# Altium PCB SVEC.pcbdoc (part 14 of 18) (continued)
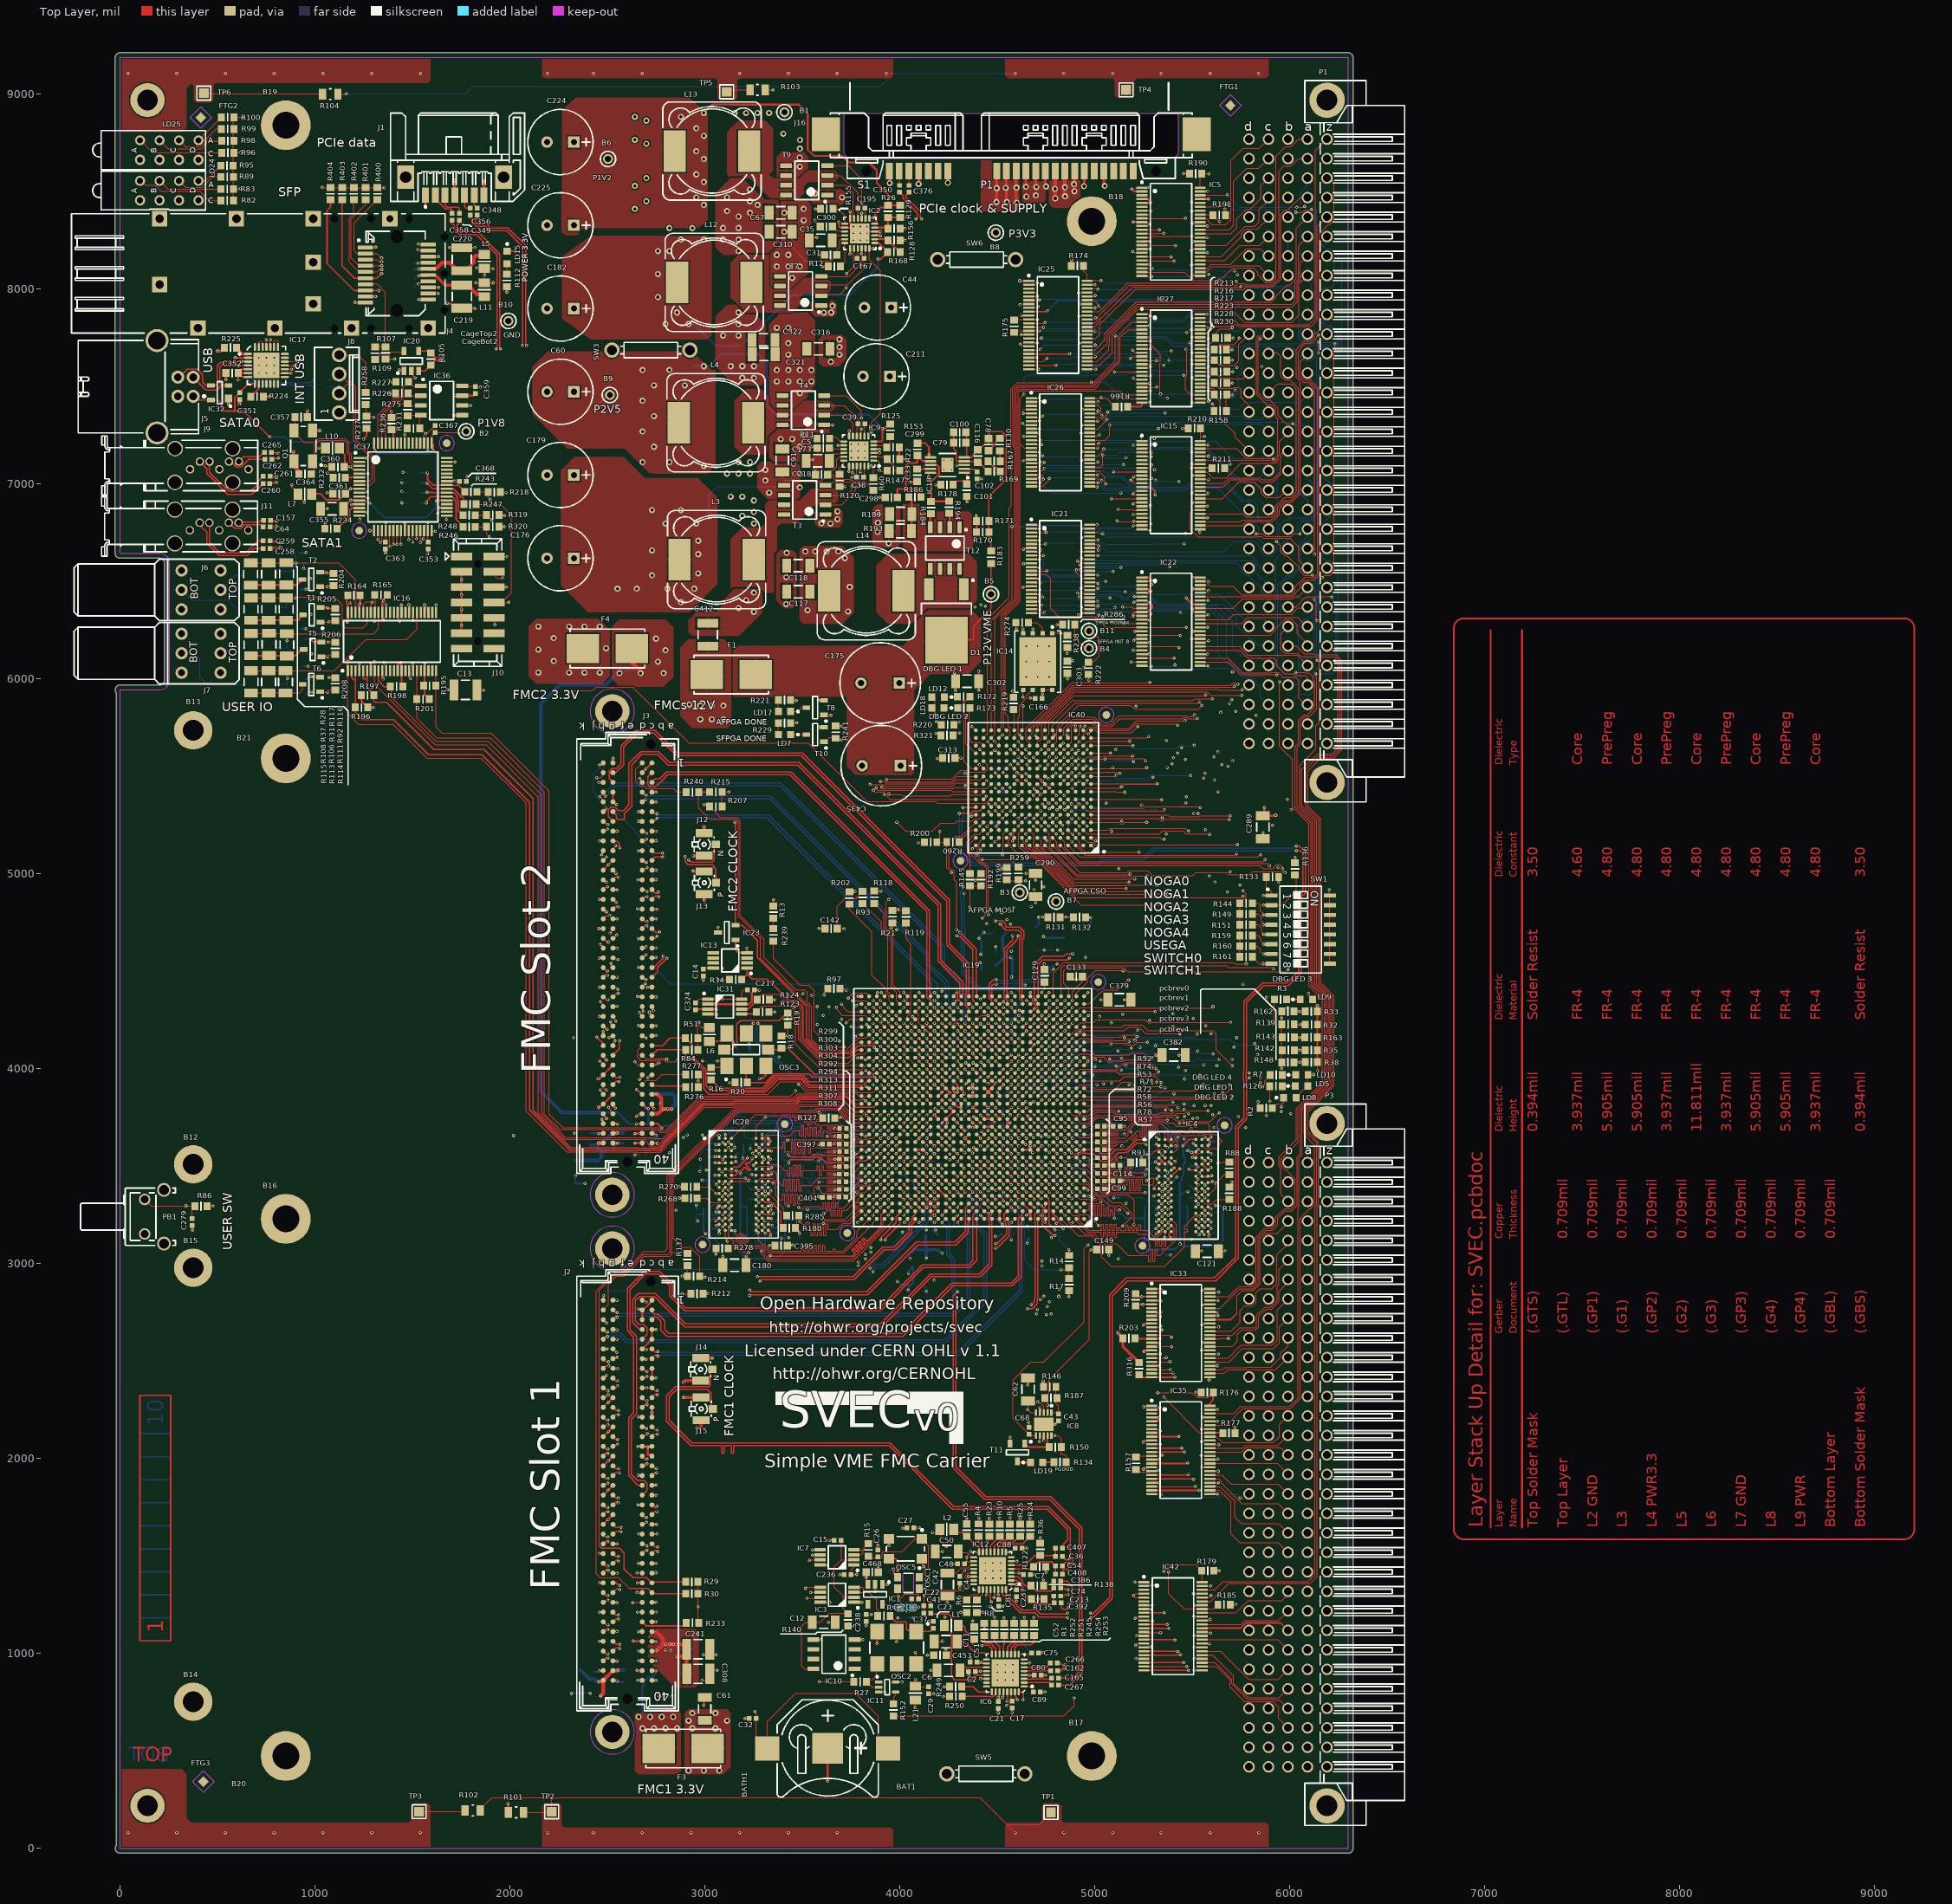
[diagram p0: Top Layer view]
## Nets (pads, with @x,y where several pads share a name; then routed paths per layer and width w, separated by ;. In a path a pad name is that pad's centre, name@x,y a point inside that pad or via, vN(x,y) a via of type N, cw(c..) or ccw(c..) an arc to the next point about the centre after c; other vN are vias at no path point) (continued)
  Bottom Layer w5: v1(4720.55,7008.51) 4775.55,6953.51 v1(5132.55,6953.51)
  other v1: 4885.37,3997.36
VME_A17: IC19.Y2 IC26.22 IC40.J3 | length 4635.2
  Top Layer w5: IC26.22@4673.95,7026.5 4708.55,7026.5 v1(4715.55,7033.51) ; IC40.J3@4901.09,5460.19 v1@4917.48,5476.58 ; IC19.Y2@4905.05,3977.67 4924.74,3997.36 4991.96,3997.36 4993.19,3996.13 5111.51,3996.13 5122.88,4007.51 5124.55,4007.51 5139.55,4022.51 5146.23,4022.51 5154.6,4030.88 5285.51,4030.88 5313.3,4003.09 v1(5313.3,4000.6)
  L8 w4: v1@5294.18,5492.13 5294.18,5451 5312.55,5432.62 5312.55,4959.25 5301.18,4947.87 5301.18,4933.05 5303.93,4930.3 5303.93,4892.71 5294.18,4882.96 5294.18,4284.91 5336.93,4242.16 5336.93,4024.88 v1@5312.97,4000.92 ; v1(5297.55,5495.51) 5310.93,5508.88 5310.93,5679.42 5305.93,5684.42 5305.93,6505.87 5320.93,6520.87 5320.93,6874.87 5293.18,6902.62 5293.18,7003.13 v1@5308.55,7018.51
  Bottom Layer w5: v1(4715.55,7033.51) 4717.3,7033.51 4749.3,7065.51 5056.55,7065.51 5080.3,7041.76 5140.21,7041.76 5177.72,7004.25 5296.3,7004.25 v1(5310.55,7018.51) ; v1@4923.85,5476.8 4936.15,5464.5 5025.55,5464.5 5039.56,5478.51 5280.55,5478.51 v1(5297.55,5495.51)
  other v1: 4920.55,5473.51
VME_A18: IC19.Y1 IC26.20 IC40.J1 | length 4682.4
  Top Layer w5: IC26.20@4673.95,7065.87 4676.59,7068.51 4730.55,7068.51 v1(4740.55,7078.51) ; IC19.Y1@4944.42,3977.67 4952.44,3985.69 5108.86,3985.69 5121.42,3973.13 5315.18,3973.13 v1(5326.55,3984.51) ; IC40.J1@4979.83,5460.19 4981.52,5461.88 5319.18,5461.88 v1(5319.55,5461.51) ; 5144.61,5460.19 v1@5318.24,5460.19
  L5 w5: v1(5305.55,7073.51) 5325.93,7053.13 5325.93,6273.25 5309.69,6257.01 5309.69,5542.62 5325.18,5527.13 5325.18,5525.71 ; v1(5319.55,5461.51) 5305.18,5447.13 5305.18,5248.99 5291.93,5235.74 5291.93,4999.49 5286.93,4994.49 5286.93,4293.39 5312.55,4267.76 5312.55,4148.03 5328.68,4131.91 v1@5328.68,3986.63 ; 5325.93,5467.88 5325.93,5524.96
  Bottom Layer w5: v1@4741.01,7083.96 4958.55,7083.96 4961.39,7081.13 5297.93,7081.13 v1(5305.55,7073.51)
VME_A19: IC19.AA5 IC26.19 IC40.H2 | length 4288.9
  Top Layer w5: IC26.19@4673.95,7085.55 4676,7083.51 4695.55,7083.51 4701.3,7089.25 4720.55,7089.25 4740.3,7109 v1(4740.3,7110.09) ; IC19.AA5@4786.94,4017.04 v1(4806.62,4036.73) ; IC40.H2@4940.46,5420.82 4958.14,5438.51 5128.55,5438.51 v1(5136.55,5446.51)
  L3 w4: v1(4806.62,4036.73) 4822,4021.35 4970.47,4021.35 4975,4025.88 5019.44,4025.88 5020.19,4025.13 5051.79,4025.13 5057.79,4019.13 5094.56,4019.13 5104.31,4028.88 5148.18,4028.88 v1(5160.55,4016.51)
  L5 w5: v1(5145.93,7098.88) 5149.93,7094.88 5149.93,6534.4 5130.18,6514.65 5130.18,6396.02 5116.93,6382.76 5116.93,6359.14 5112.18,6354.39 5112.18,6069.65 5145.18,6036.65 5145.18,5455.13 v1(5136.55,5446.51) 5113.18,5423.13 5113.18,5260 5121.18,5252 5121.18,5061.02 5095.18,5035.02 5095.18,4841.79 5117.18,4819.79 5117.18,4255.88 5120.69,4252.37 5120.69,4115.86 5102.18,4097.35 5102.18,4084.14 5115.18,4071.14 5115.18,4055.14 5140.81,4029.51 5147.55,4029.51 v1(5160.55,4016.51)
  Bottom Layer w5: v1(4740.3,7110.09) 4756.42,7093.96 5023.75,7093.96 5028.67,7098.88 v1(5145.93,7098.88)
VME_A20: IC19.AA4 IC26.16 IC40.H1 | length 4158.8
  Top Layer w5: IC26.16@4673.95,7144.61 4675.05,7143.51 v1(4730.55,7143.51) ; IC19.AA4@4826.31,4017.04 v1(4846,4036.73) ; IC40.H1@4979.83,5420.82 5103.75,5420.82 5106.07,5418.51 v1(5153.55,5418.51)
  L5 w5: v1@5137.05,4052.01 v1@5139.55,4049.51 ; v1(5138.55,4053.51) 5132.93,4059.13 5132.93,4252.86 5127.18,4258.6 5127.18,4823.93 5105.18,4845.93 5105.18,5030.87 5131.18,5056.87 5131.18,5256.14 5123.18,5264.14 5123.18,5388.13 v1(5153.55,5418.51) ; v1@5155.18,5418.51 5155.18,6040.79 5121.18,6074.79 5121.18,6349.25 5126.93,6355 5126.93,6373.62 5140.18,6386.87 5140.18,6510.51 5160.18,6530.51 5160.18,7091.39 5161.93,7093.14 5161.93,7105.87 5160.18,7107.62 5160.18,7135.13 v1(5160.55,7135.51)
  Bottom Layer w5: v1(4730.55,7143.51) 4735.55,7138.51 5028.81,7138.51 5034.19,7133.13 5159.93,7133.13 5159.93,7134.88 v1(5160.55,7135.51) ; v1(4846,4036.73) 4863.62,4036.73 4879,4052.1 4891.73,4052.1 ; 4892.94,4050.89 4917.16,4050.89 4929.15,4062.88 5123.96,4062.88 v1@5135.94,4050.89
VME_A21: IC19.W3 IC26.13 IC40.G3 | length 4743.8
  Top Layer w5: IC26.13@4673.95,7203.66 4676.11,7201.51 v1(4725.55,7201.51) ; IC19.W3@4865.68,3938.3 v1(4885.37,3957.99) ; IC40.G3@4901.09,5381.45 4901.09,5374.21 v1(4918.87,5356.43)
  L3 w4: v1(4725.55,7201.51) 4730.55,7196.51 4986.81,7196.51 5014.19,7223.88 5026.92,7223.88 5054.3,7196.51 v1(5198.55,7196.51) ; v1(4885.37,3957.99) 4900.74,3942.61 4931.1,3942.61 ; v1(4918.87,5356.43) 4929.16,5346.13 5233.18,5346.13 v1(5240.55,5353.51) ; 4932,3943.51 4932.37,3943.13 5002.12,3943.13 5006.87,3947.88 5094.11,3947.88 5098.49,3943.51 5242.5,3943.51 5248.87,3949.88 5273.18,3949.88 v1(5286.55,3936.51)
  L5 w5: v1(5198.55,7196.51) 5235.18,7159.88 5235.18,6474.71 5254.55,6455.34 5254.55,5910.01 5288.93,5875.63 5288.93,5646.04 5288.18,5645.3 5288.18,5586.39 5259.67,5557.88 5259.6,5557.88 5240.55,5538.83 v1(5240.55,5353.51) 5240.55,5302.67 5228.18,5290.3 5228.18,5135.05 5242.93,5120.3 5242.93,5032.42 5230.93,5020.42 5230.93,4834.54 5235.93,4829.54 5235.93,4225.13 5283.93,4177.13 5283.93,4129.14 5249.18,4094.39 5249.18,4000.15 5286.55,3962.77 v1(5286.55,3936.51)
VME_A22: IC19.W1 IC26.12 IC40.G1 | length 4783.1
  Top Layer w5: IC26.12@4673.95,7223.35 4674.11,7223.51 v1(4720.55,7223.51) ; IC19.W1@4944.42,3938.3 5128.35,3938.3 5150.55,3960.51 5279.81,3960.51 ; IC40.G1@4979.83,5381.45 v1@5340.61,5381.45 ; 5280.19,3960.88 5308.18,3960.88 v1(5340.55,3928.51)
  L5 w5: v1(5305.55,7233.51) 5338.18,7200.88 5338.18,6271.36 5320.69,6253.86 5320.69,5544.35 5342.55,5522.48 v1(5342.55,5379.51) 5342.55,5337.25 5320.18,5314.87 5320.18,5248.13 5311.93,5239.88 5311.93,4981.25 5300.18,4969.51 5300.18,4865.94 5310.55,4855.57 5310.55,4321.5 5325.18,4306.87 5325.18,4149.54 5337.68,4137.05 5337.68,4105.53 5340.93,4102.27 v1@5340.93,3928.88
  Bottom Layer w5: v1(4720.55,7223.51) 5013.81,7223.51 ; 5014.19,7223.88 5085.55,7223.88 ; 5085.93,7223.51 5274.67,7223.51 5284.67,7233.51 v1(5305.55,7233.51)
VME_A23: IC19.V2 IC26.9 IC40.F2 | length 4989.8
  Top Layer w5: IC26.9@4673.95,7282.4 v1@4714.45,7282.4 ; IC19.V2@4905.05,3898.93 4922.44,3916.32 4979.68,3916.32 5000.87,3895.13 5104.37,3895.13 5139.11,3929.88 5181.92,3929.88 5203.67,3908.13 5337.93,3908.13 v1(5338.55,3907.51) ; IC40.F2@4940.46,5342.08 4960.15,5322.39 v1@5354.55,5322.39
  L5 w5: v1(5325.55,7283.51) 5348.18,7260.88 5348.18,6267.21 5331.18,6250.21 5331.18,5548 5357.93,5521.25 5357.93,5330.88 v1(5354.55,5327.51) 5354.55,5317.25 5330.18,5292.87 5330.18,5230.16 5321.93,5221.91 5321.93,5162.51 5331.93,5152.51 5331.93,4915.34 5320.55,4903.97 5320.55,4325.64 5335.18,4311.02 5335.18,4153.69 5346.93,4141.94 5346.93,4110.42 5360.55,4096.79 5360.55,3926.76 v1@5341.3,3907.51
  Bottom Layer w5: v1@4720.55,7283.51 4725.55,7278.51 v1@5320.55,7278.51
  other v1: 4715.55,7283.51
VME_A24: IC19.V1 IC33.9 IC40.F1 | length 4379.2
  Top Layer w5: IC19.V1@4944.42,3898.93 4960.22,3883.13 5379.55,3883.13 5383.55,3887.13 5519.18,3887.13 v1(5539.55,3907.51) ; IC40.F1@4979.83,5342.08 4983.78,5338.13 5250.92,5338.13 5255.95,5343.16 5536.9,5343.16 v1(5539.55,5340.51) ; IC33.9@5290.95,2712.4 5334.45,2712.4 ; 5335.55,2713.51 v1(5335.55,2728.51)
  L5 w5: v1(5335.55,2728.51) 5350.55,2713.51 5681.55,2713.51 5736.53,2768.48 5736.53,3628.52 5625.92,3739.13 5589.04,3739.13 5538.81,3789.37 5538.81,3906.76 v1(5539.55,3907.51) ; 5539.55,3895.25 v1(5539.55,3907.51) ; v1(5539.55,5340.51) 5543.93,5336.13 5543.93,5303.14 5540.93,5300.14 5540.93,4071.21 5512.18,4042.46 5512.18,3934.88 v1(5539.55,3907.51)
VME_A25: IC19.U5 IC33.12 IC40.K3 | length 4941.5
  Top Layer w5: IC19.U5@4786.94,3859.56 4790.61,3859.56 v1@4806.55,3875.51 ; IC40.K3@4901.09,5499.56 4904.61,5499.56 v1(4919.55,5514.51) ; IC33.12@5290.95,2653.35 5338.49,2653.35 v1(5344.9,2659.76)
  L3 w4: v1@4806.55,3875.51 4825.67,3894.62 4876.93,3894.62 4886.93,3904.62 4993.5,3904.62 5001.49,3896.63 5156.45,3896.63 5171.57,3881.51 5365.53,3881.51 5405.9,3921.88 5554.52,3921.88 v1(5555.92,3920.48) ; v1(4919.55,5514.51) 4920.3,5515.25 4958.69,5515.25 4992.31,5481.63 5303.3,5481.63 5305.05,5483.38 5520.43,5483.38 5551.55,5514.51 v1(5564.55,5514.51)
  L5 w5: v1(5344.9,2659.76) 5345.52,2659.13 5667.5,2659.13 5745.53,2737.16 5745.53,3633.67 5630.06,3749.13 5593.19,3749.13 5551.18,3791.14 5551.18,3885.13 5554.93,3888.88 ; v1@5552.12,3916.68 5554.93,3913.87 5554.93,3888.88 ; v1(5555.92,3920.48) 5555.92,3889.87 5554.93,3888.88 ; v1(5555.92,3920.48) 5555.93,3974.87 5545.18,3985.62 5545.18,4025.46 5549.93,4030.21 5549.93,5283.25 5554.18,5287.51 5554.18,5333.39 5554.93,5334.14 5554.93,5346.87 5542.18,5359.62 5542.18,5497.87 5558.81,5514.51 v1(5564.55,5514.51) v1@5562.55,5516.51
  other v1: 4806.62,3879.25
VME_A26: IC19.U4 IC33.13 IC40.J4 | length 5268.2
  Top Layer w5: IC19.U4@4826.31,3859.56 v1(4846,3879.25) ; IC40.J4@4861.72,5460.19 v1@4881.55,5480.03 ; IC33.13@5290.95,2633.66 5382.4,2633.66 v1(5393.55,2622.51)
  L3 w4: v1(4846,3879.25) 4859.69,3879.25 4873.56,3865.37 4879.95,3865.37 4880.07,3865.25 4895.88,3865.25 4904.07,3857.06 4923.09,3857.06 4932.91,3866.88 5157.92,3866.88 5170.29,3854.51 5366.81,3854.51 5399.19,3886.88 5467.55,3886.88 5482.93,3871.51 v1(5613.55,3871.51) ; v1(4881.55,5481.51) 4906.81,5481.51 4920.56,5495.25 4966.51,5495.25 4988.13,5473.63 5306.61,5473.63 5308.36,5475.38 5523.74,5475.38 5528.49,5480.13 5547.19,5480.13 5551.19,5476.13 5606.18,5476.13
  L5 w5: v1(5613.55,3871.51) 5610.18,3874.88 5610.18,4021.87 5621.93,4033.62 5621.93,4293.51 5620.93,4294.51 5620.93,4816.51 5600.18,4837.25 5600.18,4949.14 5599.18,4950.14 5599.18,4962.87 5613.55,4977.25 v1@5613.55,5481.51
  L8 w4: v1(5393.55,2622.51) 5393.55,2594.25 5416.32,2571.48 5835.67,2571.48 5843.53,2579.34 5843.53,3698.53 5733.55,3808.51 5655.53,3808.51 5636.93,3827.11 5636.93,3827.64 5630.18,3834.39 5630.18,3854.88 v1(5613.55,3871.51)
  other v1: 5612.55,5482.51
VME_A27: IC19.U3 IC33.16 IC40.H3 | length 5185.3
  Top Layer w5: IC19.U3@4865.68,3859.56 v1@4885.55,3879.44 ; v1(4881.4,5440.51) IC40.H3@4901.09,5420.82 ; IC33.16@5290.95,2574.61 5292.43,2573.13 5336.92,2573.13 ; 5338.4,2574.61 v1@5391.45,2574.61
  L3 w4: v1(4881.4,5440.51) 4893.78,5428.13 5141.44,5428.13 5147.19,5433.88 5617.18,5433.88 v1(5630.55,5420.51) ; 4893.76,3881.51 4905.25,3881.51 4918.37,3894.62 4992.19,3894.62 4998.18,3888.63 5150.31,3888.63 5175.43,3863.51 5330.22,3863.51 ; 5330.59,3863.88 5362.04,3863.88 5395.04,3896.88 5529.85,3896.88 5533.6,3893.13 5624.18,3893.13 v1(5638.55,3907.51)
  L5 w5: v1(5630.55,5420.51) 5634.93,5416.13 5634.93,4099.64 5653.93,4080.64 5653.93,3922.88 v1(5638.55,3907.51)
  L8 w4: v1(5392.55,2573.51) 5426.93,2539.13 5557.92,2539.13 5566.93,2548.14 ; 5566.93,2549.11 5579.3,2561.48 5839.81,2561.48 5853.53,2575.19 5853.53,3702.68 5736.07,3820.13 5658.04,3820.13 5640.18,3838 v1@5640.18,3905.88
  other v1: 4885.37,3879.25
VME_A28: IC19.U1 IC33.19 IC40.L4 | length 5444.6
  Top Layer w5: IC40.L4@4861.72,5538.93 v1(4881.41,5558.62) ; IC19.U1@4944.42,3859.56 4947.85,3856.13 5633.18,3856.13 v1(5655.55,3878.51) ; IC33.19@5290.95,2515.55 v1@5362.6,2515.55
  L3 w4: v1(4881.41,5558.62) 4895.4,5544.62 4908.59,5544.62 4912.19,5541.02 4928.92,5541.02 4930.06,5539.88 ; 4931.81,5538.13 4961.92,5538.13 4976.92,5553.13 5065.21,5553.13 5071.95,5559.88 5096.92,5559.88 ; 5098.67,5558.13 5183.99,5558.13 5188.49,5553.63 5233.69,5553.63 5258.19,5529.13 5395.18,5529.13 5425.55,5559.51 v1(5650.55,5559.51)
  L5 w5: v1@5646.15,5555.1 5646.15,4877.29 5646.93,4876.51 5646.93,4106.99 5663.93,4089.99 5663.93,3891.74 v1@5653.93,3881.74
  L8 w4: v1(5365.55,2518.51) 5708.55,2518.51 5746.55,2480.51 5919.06,2480.51 5933.53,2494.97 5933.53,3637.53 5740.93,3830.13 5662.19,3830.13 5650.18,3842.14 v1@5650.18,3873.13
VME_A29: IC19.T4 IC33.20 IC40.L5 | length 5728.4
  Top Layer w5: IC40.L5@4822.35,5538.93 v1(4842.04,5558.62) ; IC19.T4@4826.31,3820.19 v1(4846,3839.88) ; IC33.20@5290.95,2495.87 v1@5382.92,2495.87
  L3 w4: v1(4842.04,5558.62) 4866.03,5534.62 4904.44,5534.62 4908.04,5531.02 4924.78,5531.02 4929.67,5526.13 5094.3,5526.13 5115.86,5547.7 5183.11,5547.7 5185.18,5545.63 5227.54,5545.63 5252.3,5520.88 5439.3,5520.88 5455.93,5537.51 5668.55,5537.51 v1(5681.55,5550.51) ; v1(4846,3839.88) 4856.93,3839.88 4872.3,3855.25 4891.73,3855.25 4899.93,3847.06 4925.82,3847.06 4935.64,3856.88 5153.77,3856.88 5165.15,3845.51 5255.26,3845.51 5379.67,3845.51 5389.04,3854.88 5655.18,3854.88 5663.55,3846.51 v1(5665.55,3848.51)
  L8 w4: v1(5385.55,2498.51) 5714.41,2498.51 5745.17,2467.75 5920.45,2467.75 5943.53,2490.83 5943.53,3643.68 5747.07,3840.13 5673.93,3840.13 v1(5665.55,3848.51) 5675.18,3858.13 5675.18,4008.85 5675.55,4009.22 5675.55,4195.76 5709.93,4230.14 5709.93,4911.02 5699.18,4921.76 5699.18,4960.3 5708.93,4970.05 5708.93,5144.13 5678.55,5174.51 5678.55,5250.62 5673.18,5256 5673.18,5383.41 5688.93,5399.16 5688.93,5543.13 v1(5681.55,5550.51)
VME_A30: IC19.T3 IC33.22 IC40.E2 | length 5269.6
  Top Layer w5: IC19.T3@4865.68,3820.19 v1(4885.37,3839.88) ; IC40.E2@4940.46,5302.71 4960.15,5283.02 5129.33,5283.02 5132.19,5285.88 5144.92,5285.88 5147.78,5283.02 5327.29,5283.02 5339.19,5271.13 5351.92,5271.13 5361.3,5280.51 v1@5684.55,5280.51 ; IC33.22@5290.95,2456.5 v1@5387.46,2456.5
  L3 w4: v1@4888.19,3837.06 4928.55,3837.06 4938.37,3846.88 5149.63,3846.88 5162.63,3833.88 5381.35,3833.88 ; 5381.81,3833.51 5393.19,3844.88 5638.55,3844.88 5651.55,3831.88 5679.93,3831.88 v1(5703.55,3855.51)
  L5 w5: v1(5688.55,5276.51) 5659.69,5247.64 5659.69,4574 5669.18,4564.51 5669.18,4098.88 5675.18,4092.88 5675.18,3869.51 5689.18,3855.51 v1(5703.55,3855.51)
  L8 w4: v1(5387.46,2454.76) 5743.56,2454.76 5746.55,2457.75 5924.59,2457.75 5953.53,2486.69 5953.53,3650.65 5748.67,3855.51 v1(5703.55,3855.51)
VME_A31: IC19.T2 IC33.23 IC40.E1 | length 5405.9
  Top Layer w5: IC19.T2@4905.05,3820.19 4924.74,3839.88 5388.19,3839.88 5393.19,3844.88 5639.93,3844.88 5659.18,3864.13 5663.18,3864.13 5688.18,3889.13 5688.18,3915.13 v1(5690.55,3917.51) ; IC40.E1@4979.83,5302.71 5374.48,5302.71 5385.06,5292.13 5532.92,5292.13 5538.67,5297.88 v1@5690.18,5297.88 ; IC33.23@5290.95,2436.81 v1@5400.55,2436.81
  L5 w5: v1(5690.55,3917.51) 5689.31,3918.75 5689.31,4051.59 5690.55,4052.83 5690.55,4095.62 5679.18,4107 5679.18,4563.58 5693.93,4578.33 5693.93,4990.8 5677.32,5007.41 5677.32,5137 5702.93,5162.61 5702.93,5282.46 5692.55,5292.83 v1(5692.55,5297.51)
  L8 w4: v1(5400.55,2438.51) 5663.55,2438.51 5718.55,2383.51 5773.19,2383.51 5775.22,2381.48 6005.89,2381.48 6033.53,2409.11 6033.53,3584.79 5700.81,3917.51 v1(5690.55,3917.51)
VME_A_DIR: IC19.N5 IC21.24 IC22.24 IC26.24 IC33.24 IC40.B2 R316.1 | length 9729.1
  Top Layer w5: IC21.24@4673.95,6337.13 v1@4739.18,6337.13 ; IC26.24@4673.95,6987.13 4734.18,6987.13 4765.55,7018.51 v1(4765.55,7028.51) ; IC19.N5@4786.94,3702.08 v1(4806.62,3682.4) ; IC40.B2@4940.46,5184.6 4962.49,5162.57 4987.01,5162.57 5000.05,5149.54 v1(5731.52,5149.54) ; IC22.24@5240.95,6067.13 5244.57,6063.51 v1(5288.55,6063.51)
  Top Layer w8: R316.1@5226.38,2429.13 5238.38,2417.13 IC33.24@5290.95,2417.13 v1@5409.18,2417.13
  L3 w4: v1(4806.62,3682.4) 4826.38,3682.39 4840.25,3668.52 4902.73,3668.52 4912.74,3658.51 4981.87,3658.51 4983.35,3657.02 5003.07,3657.02 5032.55,3686.51 5165.62,3686.51 5182.99,3703.88 5341.92,3703.88 5351.67,3694.13 5495.92,3694.13 5507.3,3705.51 v1(5514.55,3705.51)
  L6 w4: v1(5514.55,3705.51) 5589.17,3705.51 5650.17,3766.51 5873.55,3766.51 v1(5880.55,3759.51)
  L5 w5: v1(5410.69,6071.64) 5410.69,6083.64 5420.93,6093.88 5420.93,6113.4 5401.69,6132.64 5401.69,6214.64 5440.55,6253.51 5440.55,6331.51 5438.69,6333.37 5438.69,7005.37 v1(5430.55,7013.51)
  L8 w4: v1(5410.55,2418.51) 5669.41,2418.51 5716.44,2371.48 6010.03,2371.48 6043.53,2404.97 6043.53,2537.99 ; v1(5705.55,6034.51) 5684.55,6013.51 5684.55,5919.51 5676.18,5911.13 5676.18,5867.14 5682.18,5861.14 5682.18,5577.91 5682.81,5577.27 5682.81,5568.87 5698.93,5552.75 5698.93,5395.01 5707.93,5386.01 5707.93,5173.13 v1(5731.52,5149.54) 5731.52,5120.28 5742.93,5108.87 5742.93,4989.91 5709.18,4956.16 5709.18,4925.91 5719.93,4915.16 5719.93,4225.88 5685.55,4191.51 5685.55,3952.46 5856.53,3781.48 ; 5857.03,3780.98 5856.53,3781.48 ; 6043.53,2599.03 6043.53,3598.39 5899.48,3742.43 5897.63,3742.43 v1(5880.55,3759.51) 5858.58,3781.48 5856.53,3781.48 ; 6044.55,2539.01 6044.55,2598
  Bottom Layer w5: v1(4740.55,6338.51) 4753.93,6351.88 4938.51,6351.88 4946.93,6343.46 4946.93,6342.87 4951.25,6338.55 5012.12,6338.55 5013.85,6340.28 5025.76,6340.28 5027.49,6338.55 5193.87,6338.55 5203.53,6348.21 5292.18,6348.21 5294.75,6345.64 5433.69,6345.64 v1(5440.69,6338.64) ; v1@4768.81,7031.76 5136.07,7031.76 5173.58,6994.25 5308.04,6994.25 5327.3,7013.51 v1(5430.55,7013.51) ; v1(5288.55,6063.51) 5400.55,6063.51 5410.55,6073.51 5432.93,6051.13 5585.92,6051.13 5589.3,6054.51 5685.55,6054.51 v1(5705.55,6034.51)
VME_A_OE_N: IC19.N4 IC21.14 IC22.14 IC26.14 IC33.14 IC40.K5 R203.1 | length 9518.9
  Top Layer w4: 4614.68,7424.51 4614.68,7206.65 4637.35,7183.98 IC26.14@4673.95,7183.98
  Top Layer w5: 4614.68,7424.51 4614.68,7436.63 v1(4636.55,7458.51) ; IC21.14@4673.95,6533.98 4752.08,6533.98 4773.55,6512.51 4773.55,6360.51 4820.93,6313.13 4920.51,6313.13 4925.88,6318.51 5003.55,6318.51 5005.18,6316.88 5005.18,6314.55 5006.85,6312.88 5012.51,6312.88 5020.93,6304.46 5020.93,6298.8 5055.75,6263.98 IC22.14@5240.95,6263.98 v1(5468.69,6263.98) ; IC40.K5@4822.35,5499.56 v1(4842.04,5519.25) ; IC19.N4@4826.31,3702.08 v1(4846,3682.4) ; IC33.14@5290.95,2613.98 5291.47,2614.51 v1@5332.55,2614.51
  Top Layer w8: R203.1@5206.05,2616.51 5230.55,2616.51 5233.08,2613.98 IC33.14@5290.95,2613.98
  L3 w5: v1(4846,3682.4) 4855.44,3682.4 4876.69,3703.64 4997.69,3703.64 5023.18,3729.13 5356.6,3729.13 5364.6,3721.13 5413.85,3721.13 5426.6,3733.88 5438.51,3733.88 5450.75,3721.64 v1(5454.69,3721.64)
  L5 w5: v1(5332.69,2615.64) 5256.69,2615.64 5210.69,2661.64 5210.69,2851.64 5248.69,2889.64 5655.69,2889.64 5692.93,2926.88 5692.93,3073.19 5687.18,3078.94 5687.18,3425.46 5696.69,3434.97 5696.69,3615.64 5630.06,3682.27 5494.06,3682.27 v1(5454.69,3721.64) ; v1@5452.69,3719.64 5452.69,3739.37 5443.18,3748.88 5443.18,3823.46 5446.18,3826.46 5446.18,4011.64 5450.3,4015.76 5450.3,4183.83 5444.69,4189.45 5444.69,5327.64 5466.69,5349.64 5472.02,5349.64 5491.69,5369.31 v1(5491.69,5503.51) 5491.69,5790.64 5464.69,5817.64 5464.69,6259.98 v1(5468.69,6263.98)
  L8 w4: v1(5455.55,7557.51) 5468.55,7544.51 5468.55,6781.36 5483.18,6766.74 5483.18,6650.13 5425.18,6592.13 5425.18,6311.63 5462.69,6274.12 5462.69,6269.98 v1(5468.69,6263.98)
  Bottom Layer w5: v1(4636.55,7458.51) 4636.55,7545 4651.69,7560.13 5160.44,7560.13 5171.19,7570.88 5289.92,7570.88 5303.3,7557.51 v1(5455.55,7557.51) ; v1(4842.04,5519.25) 4859.66,5519.25 4875.04,5503.87 4908.44,5503.87 4913.19,5499.13 5094.19,5499.13 5103.19,5490.13 5270.44,5490.13 5291.19,5510.88 5303.92,5510.88 5311.3,5503.51 v1(5491.69,5503.51) v1@5494.55,5503.51
VME_AM0: IC15.9 IC19.AK2 IC40.E6 | length 3505.5
  Top Layer w5: v1(4768.55,5285.51) 4782.98,5299.93 IC40.E6@4782.98,5302.71 ; IC19.AK2@4905.05,4371.37 4905.05,4388 4961.25,4444.2 4961.25,4463.2 5002.05,4504 5144.06,4504 v1(5145.55,4502.51) ; v1(5095.55,7062.51) 5240.85,7062.51 IC15.9@5240.95,7062.4
  L3 w4: v1(4768.55,5285.51) 4778.44,5285.51 4797.81,5266.13 4887.92,5266.13 4890.92,5269.13 4928.63,5269.13 4930,5270.51 v1(5138.55,5270.51)
  L8 w4: v1(5095.55,7062.51) 5095.55,6956.51 5137.93,6914.13 5137.93,6595.62 5118.18,6575.87 5118.18,6563.14 5120.18,6561.14 5120.18,6430.85 5126.93,6424.11 5126.93,6349.91 5102.18,6325.16 5102.18,5676.76 5132.55,5646.39 5132.55,5553.13 5151.93,5533.76 5151.93,5440.14 5138.18,5426.39 v1@5138.18,5270.51 ; v1(5138.55,5270.51) v1@5138.18,5270.51 ; v1(5145.55,4502.51) 5125.18,4522.88 5125.18,4971.3 5138.18,4984.3 v1@5138.18,5270.51
VME_AM1: IC15.12 IC19.AE4 IC40.C7 | length 3956.9
  Top Layer w5: IC40.C7@4743.61,5223.97 4765.64,5201.94 4765.64,5177.42 4771.93,5171.13 4771.93,5164.13 4767.64,5159.85 4767.64,5154.42 4765.64,5152.41 4765.64,5138.05 4907.55,4996.13 v1@5180.55,4996.13 ; IC19.AE4@4826.31,4174.52 v1(4846,4194.21) ; v1@5190.18,7019.63 5195.55,7014.25 5195.55,7008.51 5200.71,7003.35 IC15.12@5240.95,7003.35
  L3 w4: v1(4846,4194.21) 4849.29,4197.51 4861.53,4197.51 4863.9,4195.13 4910.56,4195.13 4917.81,4202.38 4930.3,4202.38 4937.55,4195.13 5218.18,4195.13 v1(5220.55,4197.51)
  L5 w5: v1(5184.09,7019.63) 5170.18,7005.72 5170.18,6482.51 5173.18,6479.51 5173.18,6294 5178.79,6288.39 5178.79,6189.64 5245.55,6122.87 5245.55,5906.28 5254.93,5896.91 5254.93,5740.85 5241.18,5727.11 5241.18,5598.8 5209.93,5567.55 5209.93,5300.33 5198.18,5288.58 5198.18,5140 5188.18,5130 5188.18,5006.13 v1(5180.55,4998.51) 5180.55,4974.76 5203.18,4952.14 5203.18,4836.83 5215.93,4824.08 5215.93,4202.13 v1(5220.55,4197.51)
VME_AM2: IC15.13 IC19.AF4 IC40.A7 | length 3902.7
  Top Layer w5: IC40.A7@4743.61,5145.23 4744.31,5145.23 4903.41,4986.13 5165.19,4986.13 5168.19,4983.13 5191.44,4983.13 5197.19,4988.88 v1(5267.18,4988.88) ; IC19.AF4@4826.31,4213.89 v1(4846,4233.58)
  Top Layer w9: IC15.13@5240.95,6983.66 5287.4,6983.66 5308.55,6962.51 v1(5308.55,6944.51)
  L3 w4: v1@4849.92,4237.51 4858.3,4245.88 4878.05,4245.88 4880.81,4248.64 4907.69,4248.64 4913.7,4242.63 5070.94,4242.63 5078.19,4249.88 5090.92,4249.88 ; 5091.3,4249.51 v1(5279.55,4249.51)
  L5 w5: v1(5267.18,4988.88) 5281.93,5003.63 5281.93,5250.25 5295.18,5263.51 5295.18,5463.51 5315.55,5483.88 5315.55,5521.2 5300.69,5536.06 5300.69,5998.88 5273.18,6026.39 5273.18,6069.87 5300.69,6097.38 5300.69,6260.73 5301.18,6261.23 5301.18,6262.64 5308.55,6270.02 v1(5308.55,6944.51) ; v1@5270.18,4985.76 5276.93,4979.02 5276.93,4252.13 v1(5279.55,4249.51)
VME_AM3: IC15.16 IC19.AF3 IC40.D6 | length 3440.8
  Top Layer w5: IC40.D6@4782.98,5263.34 v1(4802.67,5243.65) ; IC19.AF3@4865.68,4213.89 4878.55,4226.77 v1@4878.55,4230.51 ; v1(5084.55,6924.51) 5240.85,6924.51 IC15.16@5240.95,6924.61
  L3 w4: v1(4802.67,5243.65) 4824.44,5221.88 4924.92,5221.88 4929.3,5217.51 v1@5082.55,5217.51 ; v1@4878.55,4230.51 4882.55,4234.51 v1(5084.55,4234.51)
  L8 w4: v1(5084.55,4234.51) 5084.55,5480.48 5074.18,5490.85 5074.18,5592.39 5094.93,5613.14 5094.93,5625.87 5072.18,5648.62 5072.18,6362.51 5072.18,6373.13 5093.55,6394.51 5093.55,6479.51 5070.93,6502.13 5070.93,6910.88 v1(5084.55,6924.51)
  other v1: 4885.37,4233.58 5083.55,5218.51
VME_AM4: IC15.19 IC19.AG3 IC40.C6 | length 3541.5
  Top Layer w5: IC40.C6@4782.98,5223.97 v1(4802.67,5204.28) ; IC19.AG3@4865.68,4253.26 v1(4885.37,4272.95) ; v1(5120.55,6867.51) 5198.55,6867.51 5202.55,6863.51 ; 5200.55,6863.51 5202.55,6863.51 ; IC15.19@5240.95,6865.55 5238.9,6863.51 5202.55,6863.51
  L3 w4: v1(4802.67,5204.28) 4802.67,5147.39 4923.55,5026.51 v1(5122.55,5026.51) ; v1(4885.37,4272.95) 4902.99,4272.95 4918.37,4288.32 4991.69,4288.32 5134.74,4288.32 v1(5142.55,4280.51)
  L8 w4: v1(5120.55,6867.51) 5116.93,6863.88 5116.93,6827.87 5127.93,6816.87 5127.93,6804.14 5108.18,6784.39 5108.18,6559 5110.18,6557 5110.18,6426.71 5116.93,6419.96 5116.93,6354.05 5092.18,6329.3 5092.18,5672.62 5122.55,5642.25 5122.55,5633.96 ; 5122.55,5632.71 5122.55,5540.25 5094.18,5511.87 5094.18,5499.14 5121.18,5472.14 5121.18,5025.13 5115.18,5019.13 5115.18,4496.88 5142.55,4469.51 5142.55,4363.13 5137.68,4358.25 5137.68,4285.38 v1(5142.55,4280.51)
VME_AM5: IC15.20 IC19.V8 IC40.B8 | length 4203.1
  Top Layer w5: IC19.V8@4668.83,3898.93 4670.98,3898.93 4683.55,3911.51 ; IC40.B8@4704.24,5184.6 4723.55,5165.29 4723.55,5140.51 4762.36,5101.7 ; 4763.09,5101.7 4808.49,5056.3 ; 4808.49,5055.57 4891.18,4972.88 v1@5201.93,4972.88 ; v1@5199.92,6845.87 IC15.20@5240.95,6845.87
  L6 w4: v1(4688.51,3918.62) 4702.39,3932.49 4758.08,3932.49 4765.69,3924.88 4778.62,3924.88 4800.26,3903.24 5165.07,3903.24 5170.19,3898.13 5182.92,3898.13 5183.3,3898.51 v1(5190.55,3898.51)
  L8 w4: v1(5190.55,3898.51) 5192.92,3900.87 5192.92,4091.49 5200.43,4099 5200.43,4112.25 5189.37,4123.31 5189.37,4158.86 5205.18,4174.67 5205.18,4403.13 5205.93,4403.88 5205.93,4971.13 v1(5203.55,4973.51) ; v1(5198.55,6844.51) 5180.68,6826.63 5180.68,6315.76 5181.18,6315.26 5181.18,6101.87 5172.18,6092.87 5172.18,5712.36 5210.93,5673.62 5210.93,5643.62 5178.18,5610.87 5178.18,5564.07 5199.55,5542.7 5199.55,5376.67 5192.18,5369.3 5192.18,5070.45 5205.93,5056.71 v1@5205.93,4973.51
VME_AS_N: IC19.P6 IC21.6 IC40.F5 | length 5345.6
  Top Layer w5: IC21.6@4673.95,6691.46 v1(4747.55,6691.51) ; IC19.P6@4747.57,3741.45 v1(4767.25,3721.77) ; v1(4805.55,5328.51) 4819.13,5342.08 IC40.F5@4822.35,5342.08
  L3 w4: v1(4767.25,3721.77) 4784.88,3721.76 4808.88,3745.76 4852.36,3745.76 4864.11,3757.51 4885.16,3757.51 4916.54,3788.88 5108.19,3788.88 5116.19,3796.88 5128.92,3796.88 5164.67,3761.13 5396.06,3761.13 5409.81,3774.88 5432.06,3774.88 5454.44,3752.51 5461.55,3752.51 5459.47,3754.59 v1(5459.47,3755.25)
  L8 w4: v1(5457.55,6693.51) 5405.18,6641.13 5405.18,6282.88 5455.93,6232.13 5455.93,5811.62 5466.67,5800.88 5467.92,5800.88 5476.93,5791.87 5476.93,5779.14 5463.18,5765.39 5463.18,5751.11 5455.93,5743.85 5455.93,5656.87 5459.93,5652.87 5459.93,5640.14 5450.71,5630.92 5450.71,5594.4 5449.18,5592.87 5449.18,5534.51 5443.18,5528.51 5443.18,5382 5460.67,5364.51 v1@5461.42,5364.51 ; v1@5462.55,3753.51 5462.55,3772.83 5473.6,3783.88 5473.67,3783.88 5473.93,3784.14 5473.93,3908.45 5498.93,3933.45 5498.93,4005.16 5471.3,4032.78 5471.3,4192.53 5465.93,4197.91 5465.93,4289.59 5470.93,4294.59 5470.93,4958 5451.18,4977.75 5451.18,5323.51 5450.19,5324.5 5450.19,5353.27 v1@5461.42,5364.51 ; v1(5466.55,5364.51) v1@5461.42,5364.51
  Bottom Layer w5: v1@4752.93,6696.88 5036.18,6696.88 5041.55,6691.51 5303.55,6691.51 5305.55,6693.51 v1(5457.55,6693.51) ; v1(4805.55,5328.51) 4823.81,5328.51 4839.19,5343.88 4851.92,5343.88 4857.92,5337.88 4885.92,5337.88 4895.3,5328.51 5317.33,5328.51 5331.7,5342.88 5444.93,5342.88 v1(5466.55,5364.51)
VME_BERR_N: IC15.41 IC19.R3 IC40.C1 R211.2 | length 4609.4
  Top Layer w5: IC19.R3@4865.68,3780.82 4887.71,3758.79 4951.6,3758.79 4953.61,3756.78 4968.83,3756.78 5000.55,3788.51 5093.81,3788.51 5116.19,3766.13 5327.18,3766.13 5334.18,3773.13 5377.19,3773.13 5379.19,3771.13 5399.92,3771.13 5413.67,3784.88 5452.93,3784.88 v1(5458.55,3790.51) ; IC40.C1@4979.83,5223.97 5067.28,5223.97 5077.19,5233.88 5465.18,5233.88 v1(5479.55,5219.51)
  Top Layer w8: v1@5495.55,7082.09 IC15.41@5540.16,7082.09 5611.14,7082.09 R211.2@5611.55,7082.51
  L5 w5: v1(5458.55,3790.51) 5479.55,3811.51 v1(5479.55,5219.51) 5479.55,5315.39 5521.93,5357.76 5521.93,5509.51 5541.93,5529.51 5541.93,5813.39 5519.69,5835.63 5519.69,7060.26 5498.44,7081.51 v1(5495.55,7081.51)
VME_D0: IC19.AA10 IC25.9 IC40.P7 | length 7130.5
  Top Layer w5: IC19.AA10@4590.09,4017.04 v1(4609.77,4036.73)
  Top Layer w6: IC25.9@4660.95,7883.4 v1@4754.45,7883.4
  Top Layer w9: IC40.P7@4743.61,5657.04 v1(4763.3,5676.73)
  L3 w4: v1(4763.3,5676.73) 4763.3,5744.25 4849.55,5830.51 5532.15,5830.51 5534.9,5827.76 5645.3,5827.76 v1(5645.55,5827.51)
  L6 w4: v1(4609.77,4036.73) 4624.78,4036.73 4645.55,4057.51 4677.93,4057.51 4678.81,4056.63 4780.68,4056.63 4792.55,4068.51 4792.55,4081.65 4809.79,4098.88 5097.19,4098.88 5104.19,4105.88 5136.55,4105.88 5173.55,4068.88 5234.44,4068.88 5275.81,4027.51 5515.23,4027.51 5520.6,4022.13 5541.85,4022.13 5554.6,4034.88 5606.18,4034.88 v1(5625.55,4015.51)
  L8 w4: v1@5626.93,4016.88 5626.93,4038.68 5622.68,4042.93 5622.68,4062.62 5645.05,4085 5645.05,4258.73 5654.05,4267.73 5654.05,4806.06 5645.43,4814.68 5645.43,5240.61 5642.68,5243.36 5642.68,5396.04 5658.43,5411.79 5658.43,5515.04 5624.68,5548.79 5624.68,5590.18 5627.43,5592.93 5627.43,5606.08 5615.68,5617.83 5615.68,5741.51 5622.18,5748.01 5622.18,5804.13 v1(5645.55,5827.51) ; v1(5628.55,7940.51) 5647.93,7921.13 5647.93,5941.51 ; v1@5646.18,5828.13 5646.18,5939.76 5647.93,5941.51 ; 5647.93,5925.31 5647.93,5941.51
  Bottom Layer w6: v1(4758.55,7887.51) 4809.43,7938.38 5057.81,7938.38 ; 5058.55,7937.63 v1@5625.68,7937.63